# KiCad board BMS-Master.kicad_pcb (continued)
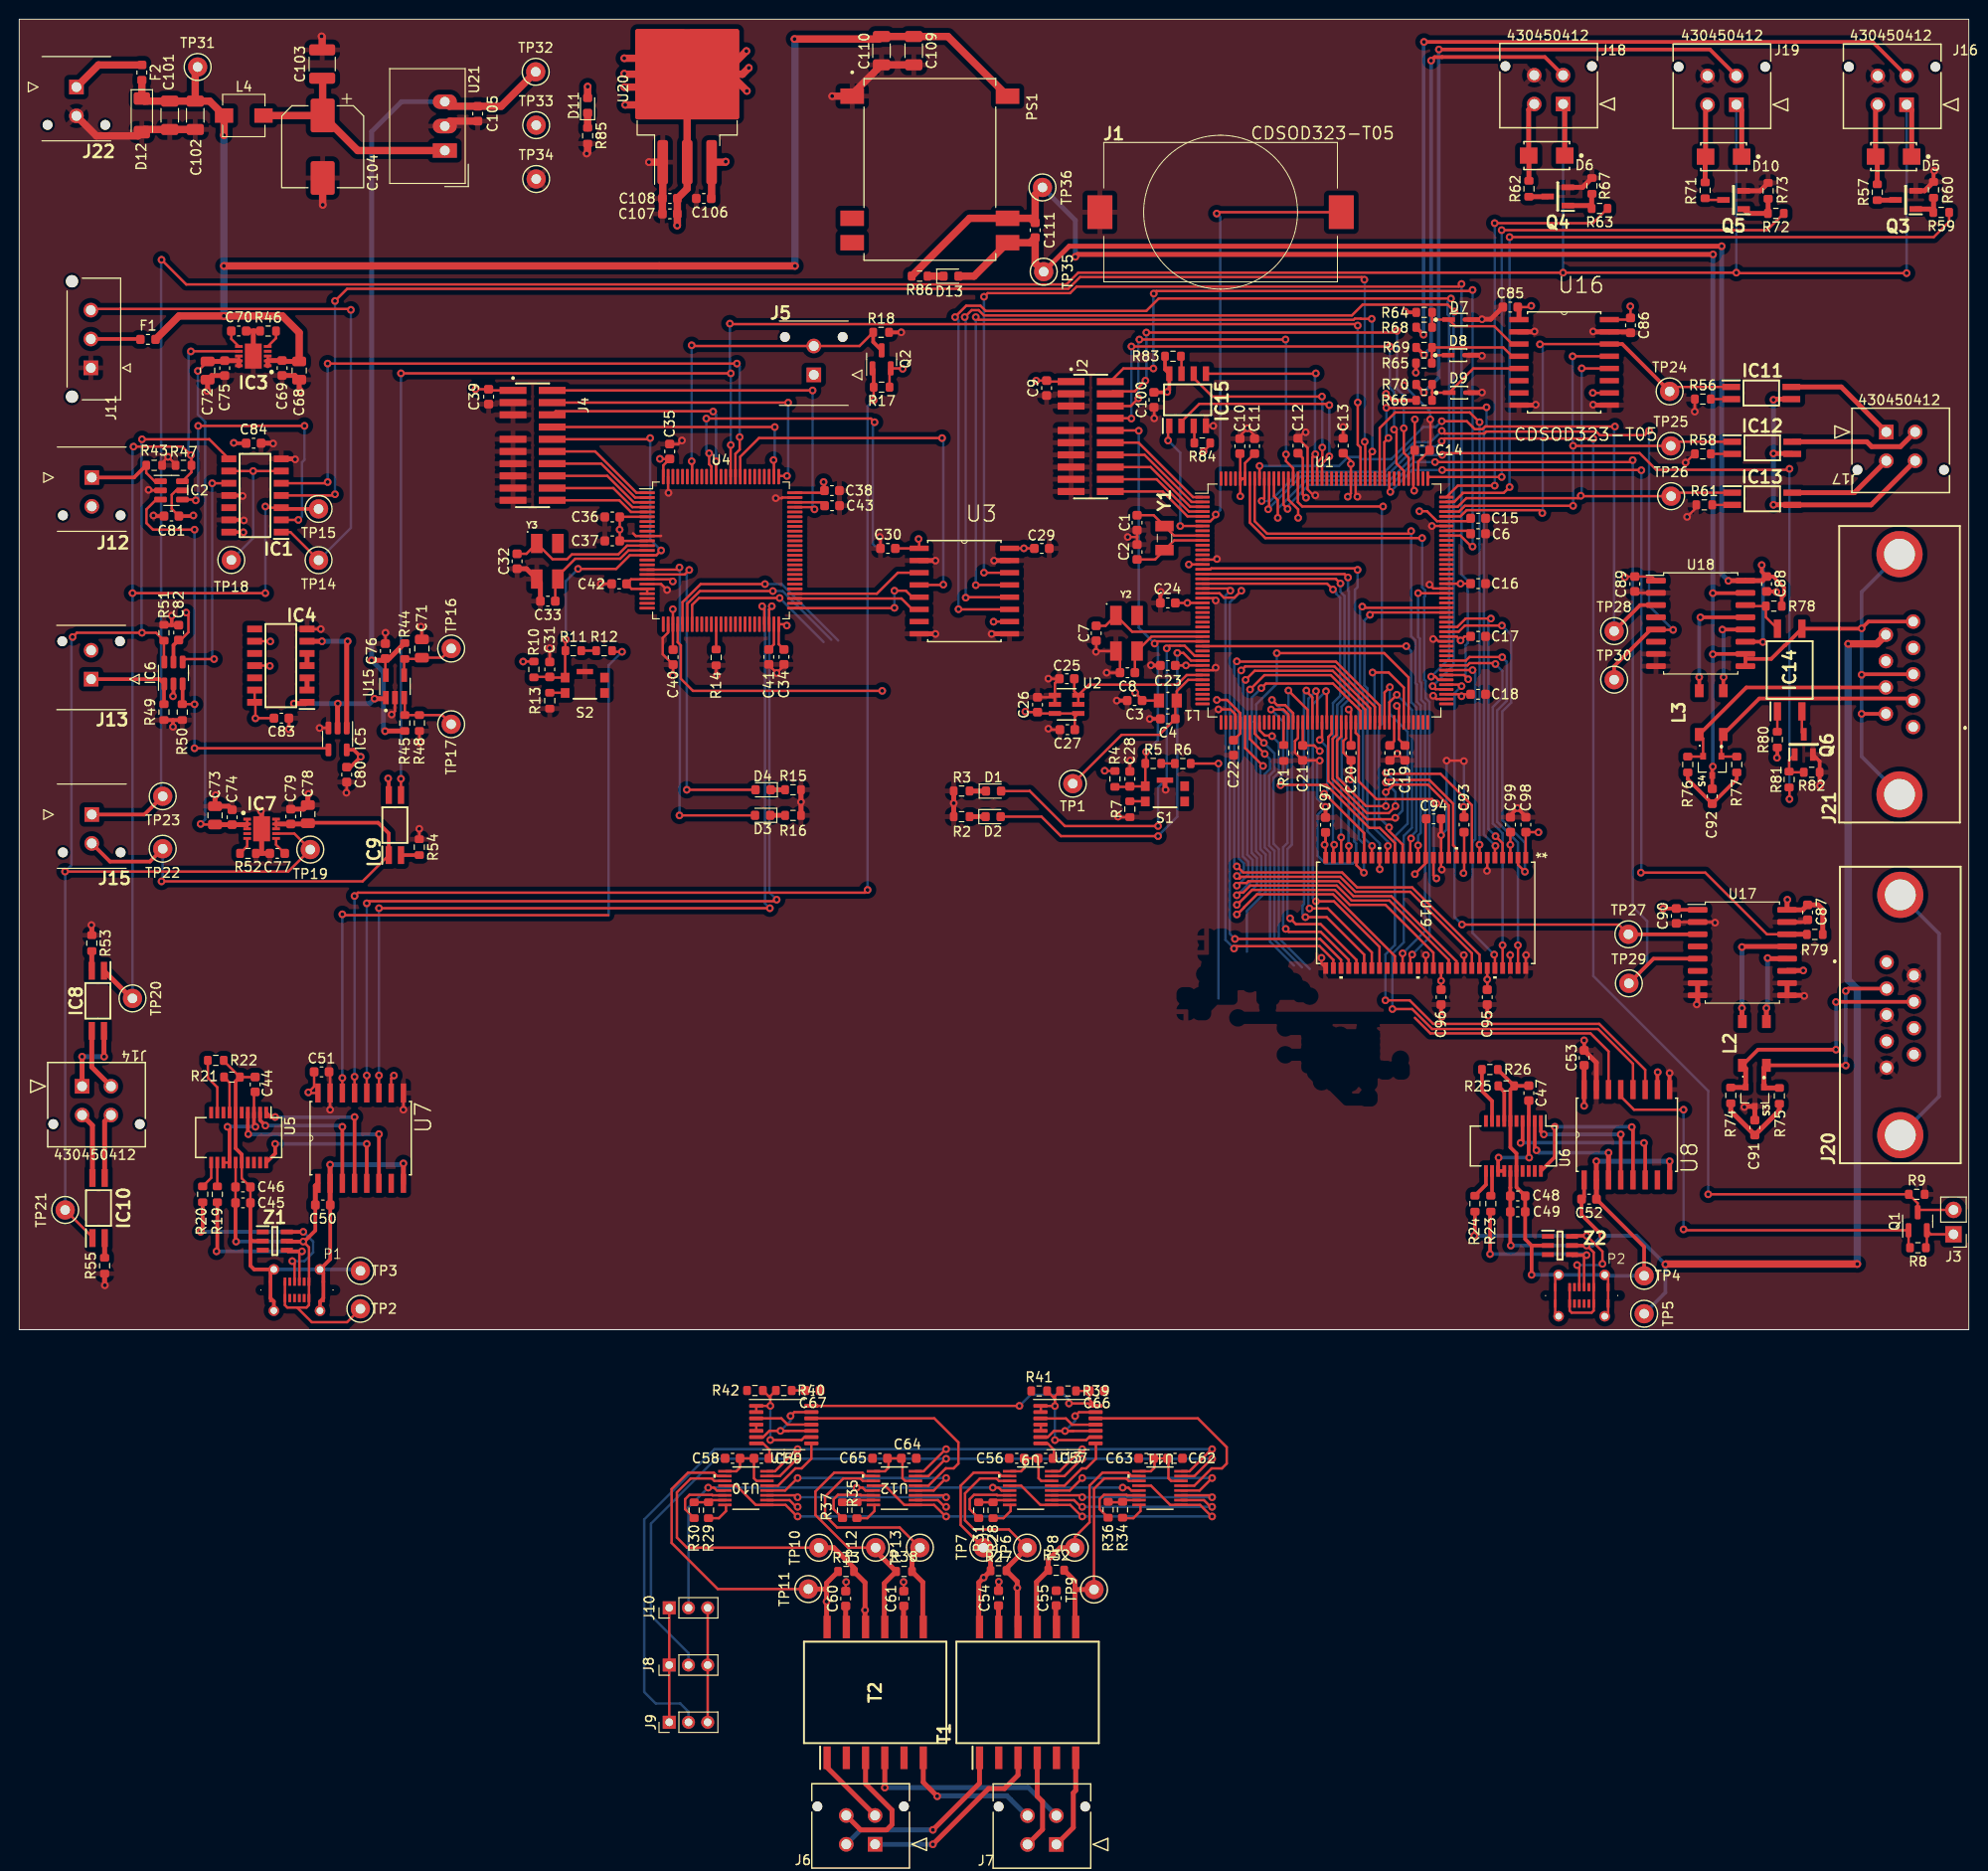
[diagram p0: board, top side]
## Placement (name value [footprint] x y rotation side) (continued)
TP33  TestPoint  [TestPoint_Keystone_5000-5004_Miniature]  53.75 125.27 0 top
TP34  TestPoint  [TestPoint_Keystone_5000-5004_Miniature]  53.75 119.67 0 top
TP35  TestPoint  [TestPoint_Keystone_5000-5004_Miniature]  106.52 110.03 270 top
TP36  TestPoint  [TestPoint_Keystone_5000-5004_Miniature]  106.39 118.79 270 top
U1  STM32F429IIT6  [LQFP-176_24x24mm_P0.5mm]  135.7 75.83 0 top
U2  ADR3425ARJZ-R2  [RJ_6_ADI]  108.9 65.03 0 top
U3  ADUM3401CRWZ  [SOIC127P1032X265-16N]  98.27 76.81 0 top
U4  STM32F429VITx  [LQFP-100_14x14mm_P0.5mm]  72.96 81.04 0 top
U5  FT231XS-R  [SSOP-20_3.9x8.7mm_P0.635mm]  22.82 19.97 270 top
U6  FT231XS-R  [SSOP-20_3.9x8.7mm_P0.635mm]  155.35 19.1 270 top
U7  ADUM3401CRWZ  [SOIC127P1032X265-16N]  35.5 19.91 90 top
U8  ADUM3401CRWZ  [SOIC127P1032X265-16N]  167.15 20.27 90 top
U9  LTC6820HMS-PBF  [MS_05-08-1669_ADI]  105.15 -16.48 180 top
U10  LTC6820HMS-PBF  [MS_05-08-1669_ADI]  75.55 -16.48 180 top
U11  LTC6820HMS-PBF  [MS_05-08-1669_ADI]  118.6 -16.48 180 top
U12  LTC6820HMS-PBF  [MS_05-08-1669_ADI]  90.99 -16.48 180 top
U13  SN74LVC00AQPWRQ1  [TSSOP-14_4.4x5mm_P0.65mm]  109.04 -9.88 0 top
U14  SN74LVC00AQPWRQ1  [TSSOP-14_4.4x5mm_P0.65mm]  79.49 -9.88 0 top
U15  AD8628ARTZ-R2  [SOT95P280X145-5N]  39.07 66.9 90 top
U16  ADUM3300CRWZ  [SOIC127P1032X265-16N]  160.63 100.6 0 top
U17  TJA1052IT/5Y  [SOIC-16W_7.5x10.3mm_P1.27mm]  179.16 39.22 0 top
U18  TJA1052IT/5Y  [SOIC-16W_7.5x10.3mm_P1.27mm]  174.83 73.45 0 top
U19  IS42S16400J-7TLI  [54L_TSOP-2_400_ISI]  146.23 43.35 270 top
U20  LM1085IS-3.3/NOPB  [TO-263-3_TabPin2]  69.45 129.07 90 top
U21  TSR_2-2450  [Converter_DCDC_TRACO_TSR-1_THT]  44.25 122.63 90 top
Y1  ABS07-32.768KHZ-T  [ABS07]  119.07 82.32 270 top
Y2  7B-8.000MAAJ-T  [OSCSC500X320X105-4N]  115.12 72.42 0 top
Y3  7B-8.000MAAJ-T  [OSCSC500X320X105-4N]  54.91 79.91 0 top
Z1  IP4220CZ6,125  [SOT95P275X110-6N]  26.57 9.21 0 top
Z2  IP4220CZ6,125  [SOT95P275X110-6N]  160.19 8.75 0 top

## Library data of the parts
C1-C103 C105-C111 = -: Description: Unpolarized capacitor
C104 = -: Description: Polarized capacitor, small symbol
D1-D4 D11 D13 = -: Description: Light emitting diode
D5 D6 D10 = -: automotive: Yes; automotive grade: Grade 0; capacitance: 15pF; category: Diode; device class L1: Discrete Semiconductors; device class L2: Diodes; device class L3: Rectifier Diodes; digikey description: DIODE GEN PURP 100V 1A DO214BA; digikey part number: GF1B-E3/67AGICT-ND; forward current: 1A; height: 3mm; lead free: Yes; library id: f5e6eeea32991e6a; manufacturer: Vishay; max junction temp: +175°C; max repetitive reverse voltage: 100V; max surge forward current: 30A; mouser description: Diode Standard Recovery Rectifier 100V 1A 2-Pin DO-214BA T/R; mouser part number: 625-GF1B-E3; package: DO-214BA; peak reverse current: 5uA; rohs: Yes; standoff height: 0.152mm; temperature range high: +175°C; temperature range low: -65°C
D7-D9 = -: automotive: No; breakdown voltage: 6V; capacitance: 3pF; category: Diode; clamping voltage: 9.8V; device class L1: Circuit Protection; device class L2: TVS Diodes; device class L3: unset; digikey description: TVS DIODE 5V 18.3V SOD323; digikey part number: CDSOD323-T05CT-ND; direction: Unidirectional; height: 1.14mm; ipc land pattern name: SOD254130X103-2; lead free: Yes; library id: d20be658d37a7647; manufacturer: Bourns Inc.; max junction temp: +150°C; mouser description: Transient Voltage Suppressor, TVS, CDSOD323 Series, Unidirectional, 5 V, SOD-323, 2, 6 V; mouser part number: 652-CDSOD323-T05; number of channels: 1; package: SOD-323; peak pulse current: 17A; peak pulse power: 350W; reverse standoff voltage: 5V; rohs: Yes; temperature range high: +150°C; temperature range low: -55°C
D12 = -: Description: 15V, 500mW, 2%, Zener diode, MiniMELF
F1 F2 = -: Description: Fuse
IC1 = -: Description: Quadruple 2-Input Positive-AND Gates
IC2 IC6 = -: Description: Single 3-Input Positive-OR Gate
IC3 IC7 = -: Description: 18V, 5A eFuse with Programmable Current Limit; Height: 0.8; Manufacturer_Name: LITTELFUSE
IC4 = -: Description: Buffers & Line Drivers Automotive hex inverter with Schmitt-trigger inputs 14-SOIC -40 to 125; Height: 1.75; Manufacturer_Name: Texas Instruments; Manufacturer_Part_Number: SN74HCS14QDRQ1; Mouser Part Number: 595-SN74HCS14QDRQ1; Mouser Price/Stock: https://www.mouser.co.uk/ProductDetail/Texas-Instruments/SN74HCS14QDRQ1?qs=OTrKUuiFdkaK%252BjdbPs1CrQ%3D%3D
IC5 = -: Description: Single 2-Input Positive NOR-Gate
IC8-IC13 = -: Description: BROADCOM - ACPL-217-56BE - Optocoupler, Transistor Output, 1 Channel, SOIC, 4 Pins, 50 mA, 3 kV, 130 %; Height: 2.42; Manufacturer_Name: Avago Technologies; Mouser Part Number: 630-ACPL-217-56BE; Mouser Price/Stock: https://www.mouser.co.uk/ProductDetail/Broadcom-Avago/ACPL-217-56BE?qs=dcm2zoLQumABa%2FcMDS685Q%3D%3D
IC14 = -: Description: SSR RELAY SPST-NO 1A 0-30V; Arrow Price/Stock: https://www.arrow.com/en/products/aqy211eha/panasonic; Height: 2.9; Manufacturer_Name: Panasonic
IC15 = -: Description: 2-Mbit serial SPI bus EEPROM; Arrow Price/Stock: https://www.arrow.com/en/products/m95m02-drmn6tp/stmicroelectronics?region=nac; Height: 1.75; Manufacturer_Name: STMicroelectronics; Mouser Part Number: 511-M95M02-DRMN6TP; Mouser Price/Stock: https://www.mouser.co.uk/ProductDetail/STMicroelectronics/M95M02-DRMN6TP?qs=zwAaJLMVt4xhSU5CC6dRzg%3D%3D
J1 = -: Description: Coin Cell Battery Holders SFC MNT FOR CR1632 520PCS/REEL; Height: 5.6; Manufacturer_Name: RENATA; Mouser Part Number: 614-SMTU1632-LF.TR; Mouser Price/Stock: https://www.mouser.co.uk/ProductDetail/Renata/SMTU1632-LF.TR?qs=IatN%252Buj5gMh%2F6Q9qm65npg%3D%3D
J2 J4 = -: Description: Connector Header Surface Mount 20 position 0.050 (1.27mm); Availability: In Stock; Check_prices: https://www.snapeda.com/parts/FTSH-110-01-L-DV-007-K-P/Samtec+Inc./view-part/?ref=eda; MANUFACTURER: Samtec; MF: Samtec; MP: FTSH-110-01-L-DV-007-K-P; PARTREV: R; Package: None; Price: None; Purchase-URL: https://www.snapeda.com/api/url_track_click_mouser/?unipart_id=2789081&manufacturer=Samtec&part_name=FTSH-110-01-L-DV-007-K-P&search_term=None; STANDARD: Manufacturer Recommendations; SnapEDA_Link: https://www.snapeda.com/parts/FTSH-110-01-L-DV-007-K-P/Samtec+Inc./view-part/?ref=snap
J3 = -: Description: Generic connector, single row, 01x02, script generated
J5 J12 J13 J15 J22 = -: Description: Micro-Fit 3.0 Vertical Header, 3.00mm Pitch, Dual Row, 2 Circuits, with PCB Polarizing Peg, Glow-Wire Capable; Height: 9.91; Manufacturer_Name: Molex; Mouser Part Number: 538-430-45-0212; Mouser Price/Stock: https://www.mouser.co.uk/ProductDetail/Molex/43045-0212?qs=QtQX4uD3c2XFLtjr%252BHeRmQ%3D%3D
J8-J10 = -: Description: Generic connector, single row, 01x03, script generated
J11 = -: Description: Header 3.00mm, WTB, single row, vert, 3w | Molex Incorporated 43650-0327; Availability: In Stock; Check_prices: https://www.snapeda.com/parts/43650-0327/Molex/view-part/?ref=eda; MANUFACTURER: Molex; MAXIMUM_PACKAGE_HEIGHT: 9.9 mm; MF: Molex; MP: 43650-0327; PARTREV: F3; Package: None; Price: None; STANDARD: Manufacturer Recommendations; SnapEDA_Link: https://www.snapeda.com/parts/43650-0327/Molex/view-part/?ref=snap
J20 J21 = -: Description: 9-pin female receptacle socket D-SUB connector, Mounting Hole
L2 L3 = -: Description: Coupled inductor with iron core
L4 = -: Description: Inductor
P1 P2 = -: Description: USB 2.0-only Type-C Plug connector; Part_Number: WM12856CT-ND; Price: 2,41
PS1 = -: Description: DC-DC Converter, High Isolation, 1W, 10.8-13.2Vin, 5Vout, 200mA, TRI 1SM Series | TRACO Power TRI 1-1211SM; Availability: In Stock; Check_prices: https://www.snapeda.com/parts/TRI%201-1211SM/Traco+Power/view-part/?ref=eda; MANUFACTURER: Traco Power; MAXIMUM_PACKAGE_HEIGHT: 11.0mm; MF: Traco Power; MP: TRI 1-1211SM; PARTREV: April 5, 2023; Package: None; Price: None; Purchase-URL: https://www.snapeda.com/api/url_track_click_mouser/?unipart_id=13589675&manufacturer=Traco Power&part_name=TRI 1-1211SM&search_term=None; STANDARD: Manufacturer Recommendations; SnapEDA_Link: https://www.snapeda.com/parts/TRI%201-1211SM/Traco+Power/view-part/?ref=snap
Q1 Q2 = -: Description: -0.13A Id, -50V Vds, P-Channel MOSFET, SOT-23
Q3-Q6 = -: Description: MOSFET N-Channel 100V 1.6A SOT23 Infineon IRLML0100TRPBF N-channel MOSFET Transistor, 1.6 A, 100 V, 3-Pin SOT-23; Arrow Price/Stock: https://www.arrow.com/en/products/irlml0100trpbf/infineon-technologies-ag?region=europe; Height: 1.12; Manufacturer_Name: Infineon; Mouser Part Number: 942-IRLML0100TRPBF; Mouser Price/Stock: https://www.mouser.co.uk/ProductDetail/Infineon-Technologies/IRLML0100TRPBF?qs=9%252BKlkBgLFf11XyHQVo8PPw%3D%3D
R1-R86 = -: Description: Resistor
S1 S2 = -: Description: Tactile Switch SPST-NO Top Actuated Surface Mount; Availability: In Stock; Check_prices: https://www.snapeda.com/parts/KMR221GLFS/C%2526K/view-part/?ref=eda; MANUFACTURER: CnK; MF: C&K; Package: None; Price: None; Purchase-URL: https://www.snapeda.com/api/url_track_click_mouser/?unipart_id=347724&manufacturer=C&amp;K&part_name=KMR221GLFS&search_term=None; SnapEDA_Link: https://www.snapeda.com/parts/KMR221GLFS/C%2526K/view-part/?ref=snap
S3 S4 = -: Description: NXP ESD protection diode, 24 V 200 W SOT-23-3; AVAILABILITY: In Stock; Availability: Not in stock; Check_prices: https://www.snapeda.com/parts/PESD1CAN,215/NXP+Semiconductors/view-part/?ref=eda; DESCRIPTION: ESD Suppressor Diode TVS Bi-Dir 24V Automotive 3-Pin SOT-23 T/R; MF: NXP Semiconductors; MP: PESD1CAN,215; PACKAGE: TO-236-3 Nexperia USA Inc.; PRICE: None; PURCHASE-URL: https://pricing.snapeda.com/search/part/PESD1CAN,215/?ref=eda; Package: None; Price: None; SnapEDA_Link: https://www.snapeda.com/parts/PESD1CAN,215/NXP+Semiconductors/view-part/?ref=snap
T1 T2 = -: Description: Audio Transformers / Signal Transformers MDL DUAL XFMR-CMC AEC-Q200; Arrow Price/Stock: https://www.arrow.com/en/products/hm2102nl/pulse-electronics-corporation; Height: 5; Manufacturer_Name: Pulse Electronics; Mouser Part Number: 673-HM2102NL; Mouser Price/Stock: https://www.mouser.co.uk/ProductDetail/Pulse-Electronics/HM2102NL?qs=1mbolxNpo8c93YBFuby5tg%3D%3D
TP1-TP36 = -: Description: test point
U1 = -: Description: STMicroelectronics Arm Cortex-M4 MCU, 2048KB flash, 256KB RAM, 180 MHz, 1.8-3.6V, 140 GPIO, LQFP176
U2 = -: Field4: *; Field5: *; Field6: *; Field7: *
U3 U7 U8 = -: Description: Quad-Channel, Digital Isolator, Enhanced System-Level ESD Reliability; Availability: In Stock; Check_prices: https://www.snapeda.com/parts/ADUM3401CRWZ/Analog+Devices/view-part/?ref=eda; MF: Analog Devices; OC_FARNELL: 1274129; OC_NEWARK: 19M0771; PACKAGE: 16-Lead SOIC_W; Package: SOIC -16 Analog Devices; Price: None; Purchase-URL: https://www.snapeda.com/api/url_track_click_mouser/?unipart_id=1239276&manufacturer=Analog Devices&part_name=ADUM3401CRWZ&search_term=None; SUPPLIER: Analog Devices; SnapEDA_Link: https://www.snapeda.com/parts/ADUM3401CRWZ/Analog+Devices/view-part/?ref=snap
U4 = -: Description: STMicroelectronics Arm Cortex-M4 MCU, 2048KB flash, 256KB RAM, 180 MHz, 1.8-3.6V, 82 GPIO, LQFP100
U5 U6 = -: Description: Full Speed USB to Full Handshake UART, SSOP-20
U13 U14 = -: Description: Quadruple 2-Input Positive-NAND Gates
U15 = -: Description: Zero-Drift, Single-Supply, Rail-to-Rail Input/Output Operational Amplifier; AVAILABILITY: Unavailable; Availability: In Stock; Check_prices: https://www.snapeda.com/parts/AD8628ARTZ-R2/Analog+Devices/view-part/?ref=eda; DESCRIPTION: SP Amp Chopper Stabilization Single R-R I/O ±2.5V/5V 5-Pin SOT-23 T/R; MF: Analog Devices; PACKAGE: SOT-23-5 Analog Devices; PRICE: None; Package: SOT-5 Analog Devices; Price: None; Purchase-URL: https://www.snapeda.com/api/url_track_click_mouser/?unipart_id=359169&manufacturer=Analog Devices&part_name=AD8628ARTZ-R2&search_term=None; SnapEDA_Link: https://www.snapeda.com/parts/AD8628ARTZ-R2/Analog+Devices/view-part/?ref=snap
U16 = -: Description: Triple-Channel, Digital Isolator, Enhanced System-Level ESD Reliability (3/0 channel directionality); Availability: In Stock; Check_prices: https://www.snapeda.com/parts/ADUM3300CRWZ/Analog+Devices/view-part/?ref=eda; MF: Analog Devices; OC_FARNELL: unknown; OC_NEWARK: 19M0760; PACKAGE: 16-Lead SOIC_W; Package: SOIC -16 Analog Devices; Price: None; Purchase-URL: https://www.snapeda.com/api/url_track_click_mouser/?unipart_id=201119&manufacturer=Analog Devices&part_name=ADUM3300CRWZ&search_term=None; SUPPLIER: Analog Devices; SnapEDA_Link: https://www.snapeda.com/parts/ADUM3300CRWZ/Analog+Devices/view-part/?ref=snap
U17 U18 = -: Description: Isolated CAN Transceiver 5.0kV, up to 5Mbps
U20 = -: Description: 3A 27V Linear Regulator, Fixed Output 3.3V, TO-220/TO-263
U21 = -: Description: 1A step-down regulator module, fixed 9V output voltage, 2-36V input voltage, -40°C to +85°C temperature range, TO-220 compatible LM78xx replacement
Y1 = -: Description: 32.768 kHz +/-20ppm Crystal 7pF 70 kOhms 2-SMD, No Lead; Arrow Price/Stock: https://www.arrow.com/en/products/abs07-32.768khz-t/abracon?region=europe; Height: 0.9; Manufacturer_Name: ABRACON; Mouser Part Number: 815-ABS07-32.768KHZT; Mouser Price/Stock: https://www.mouser.co.uk/ProductDetail/ABRACON/ABS07-32.768KHZ-T?qs=3SpAxaLJ01g8GJWeO3sA3Q%3D%3D
Y2 Y3 = -: Description: 8 MHz ±30ppm Crystal 18pF 100 Ohms 4-SMD, No Lead; Availability: In Stock; Check_prices: https://www.snapeda.com/parts/7B-8.000MAAJ-T/TXC+CORPORATION/view-part/?ref=eda; MANUFACTURER: TXC Corporation; MF: TXC; Package: SMD-4 Falcon Technical Sales; Price: None; Purchase-URL: https://www.snapeda.com/api/url_track_click_mouser/?unipart_id=48963&manufacturer=TXC&part_name=7B-8.000MAAJ-T&search_term=None; SnapEDA_Link: https://www.snapeda.com/parts/7B-8.000MAAJ-T/TXC+CORPORATION/view-part/?ref=snap
Z1 Z2 = -: Description: Nexperia IP4220CZ6,125, Quad ESD Protection Array, 6-Pin TSOP; Arrow Price/Stock: https://www.arrow.com/en/products/ip4220cz6125/nexperia?region=nac; Height: 1.1; Manufacturer_Name: Nexperia; Mouser Part Number: 771-IP4220CZ6-T/R; Mouser Price/Stock: https://www.mouser.co.uk/ProductDetail/Nexperia/IP4220CZ6125?qs=me8TqzrmIYWNWIOv4%2FpxMw%3D%3D

## Footprints (pads in the part's own frame, mm; a bottom-side part is the same pattern mirrored in y, then rotated)
54L_TSOP-2_400_ISI
  rect 1.194x0.508 smd: 1(-5.74,10.4) 2(-5.74,9.6) 3(-5.74,8.8) 4(-5.74,8) 5(-5.74,7.2) 6(-5.74,6.4) 7(-5.74,5.6) 8(-5.74,4.8) 9(-5.74,4) 10(-5.74,3.2) 11(-5.74,2.4) 12(-5.74,1.6) 13(-5.74,0.8) 14(-5.74,0) 15(-5.74,-0.8) 16(-5.74,-1.6) 17(-5.74,-2.4) 18(-5.74,-3.2) 19(-5.74,-4) 20(-5.74,-4.8) 21(-5.74,-5.6) 22(-5.74,-6.4) 23(-5.74,-7.2) 24(-5.74,-8) 25(-5.74,-8.8) 26(-5.74,-9.6) 27(-5.74,-10.4) 28(5.74,-10.4) 29(5.74,-9.6) 30(5.74,-8.8) 31(5.74,-8) 32(5.74,-7.2) 33(5.74,-6.4) 34(5.74,-5.6) 35(5.74,-4.8) 36(5.74,-4) 37(5.74,-3.2) 38(5.74,-2.4) 39(5.74,-1.6) 40(5.74,-0.8) 41(5.74,0) 42(5.74,0.8) 43(5.74,1.6) 44(5.74,2.4) 45(5.74,3.2) 46(5.74,4) 47(5.74,4.8) 48(5.74,5.6) 49(5.74,6.4) 50(5.74,7.2) 51(5.74,8) 52(5.74,8.8) 53(5.74,9.6) 54(5.74,10.4)
43045-02YY_121314
  round 1.02 hole 1.02 unplated: (-3,3.94) (3,3.94)
  rect 1.52x1.52 hole 1.02: 1(0,0)
  round 1.52 hole 1.02: 2(0,3)
ABS07
  rect 1.1x1.9 smd: 1(-1.25,0) 2(1.25,0)
ACT45B1012PTL003
  rect 1.35x0.9 smd: 1(-2.275,1.25) 2(-2.275,-1.25) 3(2.275,-1.25) 4(2.275,1.25)
Bourns_Inc.-SOD-323-0-0-IPC_B
  rect 1.312x0.476 smd: 1(-1.048,0)
  rrect 1.312x0.476 smd: 2(1.048,0)
C_0603_1608Metric
  rrect 0.9x0.95 smd: 1(-0.775,0) 2(0.775,0)
C_0805_2012Metric
  rrect 1x1.45 smd: 1(-0.95,0) 2(0.95,0)
C_1206_3216Metric
  rrect 1.15x1.8 smd: 1(-1.475,0) 2(1.475,0)
C_1210_3225Metric
  rrect 1.15x2.7 smd: 1(-1.475,0) 2(1.475,0)
CON_430450412_MOL
  round 1.02 hole 1.02 unplated: (-6,3.94) (3,3.94)
  rect 1.52x1.52 hole 1.02: 1(0,0)
  round 1.52 hole 1.02: 2(-3,0) 3(0,3) 4(-3,3)
CONV_TRI_1-1211SM
  rect 1.6x2.45 smd: 1(-7.62,-8.075) 6(5.08,-8.075) 7(7.62,-8.075) 8(7.62,8.075) 9(5.08,8.075) 14(-7.62,8.075)
Converter_DCDC_TRACO_TSR-1_THT
  rect 1.5x2.5 hole 1: 1(0,0)
  oval 1.5x2.5 hole 1: 2(2.54,0) 3(5.08,0)
CP_Elec_8x10
  rrect 3.5x2.5 smd: 1(-3.25,0) 2(3.25,0)
D_MiniMELF
  rrect 1.3x1.7 smd: 1(-1.75,0) 2(1.75,0)
DIO_PESD1CAN_215
  rect 0.7x0.6 smd: 1(-1,0.95) 2(-1,-0.95) 3(1,0)
Diode_GF1B-E367A
  rect 1.825x1.68 smd: 1(-1.877,0) 2(1.877,0)
Fuse_0603_1608Metric
  rrect 0.875x0.95 smd: 1(-0.787,0) 2(0.787,0)
IND_BLM21_0805_MUR
  rect 1.067x1.448 smd: 1(-0.927,0) 2(0.927,0)
L177TSEH09SOL2RM8
  round 4.8 hole 3.2: 0(-17.975,-1.42) 0(7.015,-1.42)
  round 1.5 hole 1: 1(0,0) 2(-2.74,0) 3(-5.48,0) 4(-8.22,0) 5(-10.96,0) 6(-1.37,-2.84) 7(-4.11,-2.84) 8(-6.85,-2.84) 9(-9.59,-2.84)
L_TracoPower_TCK-141
  rect 1.9x1.5 smd: 1(-2.05,0) 2(2.05,0)
LED_0603_1608Metric
  rrect 0.875x0.95 smd: 1(-0.787,0) 2(0.787,0)
LQFP-100_14x14mm_P0.5mm
  rrect 1.6x0.3 smd: 1(-7.675,6) 2(-7.675,5.5) 3(-7.675,5) 4(-7.675,4.5) 5(-7.675,4) 6(-7.675,3.5) 7(-7.675,3) 8(-7.675,2.5) 9(-7.675,2) 10(-7.675,1.5) 11(-7.675,1) 12(-7.675,0.5) 13(-7.675,0) 14(-7.675,-0.5) 15(-7.675,-1) 16(-7.675,-1.5) 17(-7.675,-2) 18(-7.675,-2.5) 19(-7.675,-3) 20(-7.675,-3.5) 21(-7.675,-4) 22(-7.675,-4.5) 23(-7.675,-5) 24(-7.675,-5.5) 25(-7.675,-6) 51(7.675,-6) 52(7.675,-5.5) 53(7.675,-5) 54(7.675,-4.5) 55(7.675,-4) 56(7.675,-3.5) 57(7.675,-3) 58(7.675,-2.5) 59(7.675,-2) 60(7.675,-1.5) 61(7.675,-1) 62(7.675,-0.5) 63(7.675,0) 64(7.675,0.5) 65(7.675,1) 66(7.675,1.5) 67(7.675,2) 68(7.675,2.5) 69(7.675,3) 70(7.675,3.5) 71(7.675,4) 72(7.675,4.5) 73(7.675,5) 74(7.675,5.5) 75(7.675,6)
  rrect 0.3x1.6 smd: 26(-6,-7.675) 27(-5.5,-7.675) 28(-5,-7.675) 29(-4.5,-7.675) 30(-4,-7.675) 31(-3.5,-7.675) 32(-3,-7.675) 33(-2.5,-7.675) 34(-2,-7.675) 35(-1.5,-7.675) 36(-1,-7.675) 37(-0.5,-7.675) 38(0,-7.675) 39(0.5,-7.675) 40(1,-7.675) 41(1.5,-7.675) 42(2,-7.675) 43(2.5,-7.675) 44(3,-7.675) 45(3.5,-7.675) 46(4,-7.675) 47(4.5,-7.675) 48(5,-7.675) 49(5.5,-7.675) 50(6,-7.675) 76(6,7.675) 77(5.5,7.675) 78(5,7.675) 79(4.5,7.675) 80(4,7.675) 81(3.5,7.675) 82(3,7.675) 83(2.5,7.675) 84(2,7.675) 85(1.5,7.675) 86(1,7.675) 87(0.5,7.675) 88(0,7.675) 89(-0.5,7.675) 90(-1,7.675) 91(-1.5,7.675) 92(-2,7.675) 93(-2.5,7.675) 94(-3,7.675) 95(-3.5,7.675) 96(-4,7.675) 97(-4.5,7.675) 98(-5,7.675) 99(-5.5,7.675) 100(-6,7.675)
LQFP-176_24x24mm_P0.5mm
  rrect 1.5x0.3 smd: 1(-12.675,10.75) 2(-12.675,10.25) 3(-12.675,9.75) 4(-12.675,9.25) 5(-12.675,8.75) 6(-12.675,8.25) 7(-12.675,7.75) 8(-12.675,7.25) 9(-12.675,6.75) 10(-12.675,6.25) 11(-12.675,5.75) 12(-12.675,5.25) 13(-12.675,4.75) 14(-12.675,4.25) 15(-12.675,3.75) 16(-12.675,3.25) 17(-12.675,2.75) 18(-12.675,2.25) 19(-12.675,1.75) 20(-12.675,1.25) 21(-12.675,0.75) 22(-12.675,0.25) 23(-12.675,-0.25) 24(-12.675,-0.75) 25(-12.675,-1.25) 26(-12.675,-1.75) 27(-12.675,-2.25) 28(-12.675,-2.75) 29(-12.675,-3.25) 30(-12.675,-3.75) 31(-12.675,-4.25) 32(-12.675,-4.75) 33(-12.675,-5.25) 34(-12.675,-5.75) 35(-12.675,-6.25) 36(-12.675,-6.75) 37(-12.675,-7.25) 38(-12.675,-7.75) 39(-12.675,-8.25) 40(-12.675,-8.75) 41(-12.675,-9.25) 42(-12.675,-9.75) 43(-12.675,-10.25) 44(-12.675,-10.75) 89(12.675,-10.75) 90(12.675,-10.25) 91(12.675,-9.75) 92(12.675,-9.25) 93(12.675,-8.75) 94(12.675,-8.25) 95(12.675,-7.75) 96(12.675,-7.25) 97(12.675,-6.75) 98(12.675,-6.25) 99(12.675,-5.75) 100(12.675,-5.25) 101(12.675,-4.75) 102(12.675,-4.25) 103(12.675,-3.75) 104(12.675,-3.25) 105(12.675,-2.75) 106(12.675,-2.25) 107(12.675,-1.75) 108(12.675,-1.25) 109(12.675,-0.75) 110(12.675,-0.25) 111(12.675,0.25) 112(12.675,0.75) 113(12.675,1.25) 114(12.675,1.75) 115(12.675,2.25) 116(12.675,2.75) 117(12.675,3.25) 118(12.675,3.75) 119(12.675,4.25) 120(12.675,4.75) 121(12.675,5.25) 122(12.675,5.75) 123(12.675,6.25) 124(12.675,6.75) 125(12.675,7.25) 126(12.675,7.75) 127(12.675,8.25) 128(12.675,8.75) 129(12.675,9.25) 130(12.675,9.75) 131(12.675,10.25) 132(12.675,10.75)
  rrect 0.3x1.5 smd: 45(-10.75,-12.675) 46(-10.25,-12.675) 47(-9.75,-12.675) 48(-9.25,-12.675) 49(-8.75,-12.675) 50(-8.25,-12.675) 51(-7.75,-12.675) 52(-7.25,-12.675) 53(-6.75,-12.675) 54(-6.25,-12.675) 55(-5.75,-12.675) 56(-5.25,-12.675) 57(-4.75,-12.675) 58(-4.25,-12.675) 59(-3.75,-12.675) 60(-3.25,-12.675) 61(-2.75,-12.675) 62(-2.25,-12.675) 63(-1.75,-12.675) 64(-1.25,-12.675) 65(-0.75,-12.675) 66(-0.25,-12.675) 67(0.25,-12.675) 68(0.75,-12.675) 69(1.25,-12.675) 70(1.75,-12.675) 71(2.25,-12.675) 72(2.75,-12.675) 73(3.25,-12.675) 74(3.75,-12.675) 75(4.25,-12.675) 76(4.75,-12.675) 77(5.25,-12.675) 78(5.75,-12.675) 79(6.25,-12.675) 80(6.75,-12.675) 81(7.25,-12.675) 82(7.75,-12.675) 83(8.25,-12.675) 84(8.75,-12.675) 85(9.25,-12.675) 86(9.75,-12.675) 87(10.25,-12.675) 88(10.75,-12.675) 133(10.75,12.675) 134(10.25,12.675) 135(9.75,12.675) 136(9.25,12.675) 137(8.75,12.675) 138(8.25,12.675) 139(7.75,12.675) 140(7.25,12.675) 141(6.75,12.675) 142(6.25,12.675) 143(5.75,12.675) 144(5.25,12.675) 145(4.75,12.675) 146(4.25,12.675) 147(3.75,12.675) 148(3.25,12.675) 149(2.75,12.675) 150(2.25,12.675) 151(1.75,12.675) 152(1.25,12.675) 153(0.75,12.675) 154(0.25,12.675) 155(-0.25,12.675) 156(-0.75,12.675) 157(-1.25,12.675) 158(-1.75,12.675) 159(-2.25,12.675) 160(-2.75,12.675) 161(-3.25,12.675) 162(-3.75,12.675) 163(-4.25,12.675) 164(-4.75,12.675) 165(-5.25,12.675) 166(-5.75,12.675) 167(-6.25,12.675) 168(-6.75,12.675) 169(-7.25,12.675) 170(-7.75,12.675) 171(-8.25,12.675) 172(-8.75,12.675) 173(-9.25,12.675) 174(-9.75,12.675) 175(-10.25,12.675) 176(-10.75,12.675)
molex 2193200001
  round 0.1 hole 0.6 unplated: (-3.75,0)
  oval 0.1x0.1 hole 1x0.6 unplated: (3.75,0)
  rect 0.3x0.85 smd: A1(-2.75,0.875) A4(-1.25,0.875) A5(-0.75,0.875) A6(-0.25,0.875) A7(0.25,0.875) A8(0.75,0.875) A9(1.25,0.875) A12(2.75,0.875) B1(2.75,-0.835) B4(1.25,-0.835) B5(0.75,-0.835) B6(0.25,-0.835) B7(-0.25,-0.835) B8(-0.75,-0.835) B9(-1.25,-0.835) B12(-2.75,-0.835)
  round 1.1 hole 0.7: S1(-2.4,2.15) S1(-2.4,-2.15) S1(2.4,2.15) S1(2.4,-2.15)
MOLEX_436500327
  round 1.27 hole 1.27 unplated: (-9,-1.96) (3,-1.96)
  rect 1.52x1.52 hole 1.02: 1(0,0)
  round 1.52 hole 1.02: 2(-3,0) 3(-6,0)
MS_05-08-1669_ADI
  rect 1.397x0.279 smd: 1(-2.184,1.75) 2(-2.184,1.25) 3(-2.184,0.75) 4(-2.184,0.25) 5(-2.184,-0.25) 6(-2.184,-0.75) 7(-2.184,-1.25) 8(-2.184,-1.75) 9(2.184,-1.75) 10(2.184,-1.25) 11(2.184,-0.75) 12(2.184,-0.25) 13(2.184,0.25) 14(2.184,0.75) 15(2.184,1.25) 16(2.184,1.75)
OSCSC500X320X105-4N
  rect 1.2x2 smd: 1(-1.1,1.85) 2(-1.1,-1.85) 3(1.1,-1.85) 4(1.1,1.85)
PinHeader_1x02_P2.54mm_Vertical
  rect 1.7x1.7 hole 1: 1(0,0)
  oval 1.7x1.7 hole 1: 2(0,-2.54)
PinHeader_1x03_P2.00mm_Vertical
  rect 1.35x1.35 hole 0.8: 1(0,0)
  oval 1.35x1.35 hole 0.8: 2(0,-2) 3(0,-4)
R_0603_1608Metric
  rrect 0.8x0.95 smd: 1(-0.825,0) 2(0.825,0)
RJ_6_ADI
  rect 1.27x0.508 smd: 1(-1.219,0.95) 2(-1.219,0) 3(-1.219,-0.95) 4(1.219,-0.95) 5(1.219,0) 6(1.219,0.95)
SAMTEC_FTSH-110-01-L-DV-007
  rect 0.74x2.79 smd: 01(-5.715,-2.035) 02(-5.715,2.035) 03(-4.445,-2.035) 04(-4.445,2.035) 05(-3.175,-2.035) 06(-3.175,2.035) 08(-1.905,2.035) 09(-0.635,-2.035) 10(-0.635,2.035) 11(0.635,-2.035) 12(0.635,2.035) 13(1.905,-2.035) 14(1.905,2.035) 15(3.175,-2.035) 16(3.175,2.035) 17(4.445,-2.035) 18(4.445,2.035) 19(5.715,-2.035) 20(5.715,2.035)
SMTU1632LFTR
  rect 2.6x3.5 smd: 1(-12.55,0) 2(12.55,0)
SOIC127P600X175-8N
  rect 1.525x0.65 smd: 1(-2.712,1.905) 2(-2.712,0.635) 3(-2.712,-0.635) 4(-2.712,-1.905) 5(2.712,-1.905) 6(2.712,-0.635) 7(2.712,0.635) 8(2.712,1.905)
SOIC127P600X175-14N
  rect 1.55x0.7 smd: 1(-2.725,3.81) 2(-2.725,2.54) 3(-2.725,1.27) 4(-2.725,0) 5(-2.725,-1.27) 6(-2.725,-2.54) 7(-2.725,-3.81) 8(2.725,-3.81) 9(2.725,-2.54) 10(2.725,-1.27) 11(2.725,0) 12(2.725,1.27) 13(2.725,2.54) 14(2.725,3.81)
SOIC127P700X242-4N
  rect 1.85x0.65 smd: 1(-3.125,0.635) 2(-3.125,-0.635) 3(3.125,-0.635) 4(3.125,0.635)
SOIC127P1032X265-16N
  rect 1.981x0.559 smd: 1(-4.699,4.445) 2(-4.699,3.175) 3(-4.699,1.905) 4(-4.699,0.635) 5(-4.699,-0.635) 6(-4.699,-1.905) 7(-4.699,-3.175) 8(-4.699,-4.445) 9(4.699,-4.445) 10(4.699,-3.175) 11(4.699,-1.905) 12(4.699,-0.635) 13(4.699,0.635) 14(4.699,1.905) 15(4.699,3.175) 16(4.699,4.445)
SOIC-16W_7.5x10.3mm_P1.27mm
  rrect 2.05x0.6 smd: 1(-4.65,4.445) 2(-4.65,3.175) 3(-4.65,1.905) 4(-4.65,0.635) 5(-4.65,-0.635) 6(-4.65,-1.905) 7(-4.65,-3.175) 8(-4.65,-4.445) 9(4.65,-4.445) 10(4.65,-3.175) 11(4.65,-1.905) 12(4.65,-0.635) 13(4.65,0.635) 14(4.65,1.905) 15(4.65,3.175) 16(4.65,4.445)
SON50P300X300X80-11N
  rect 0.8x0.3 smd: 1(-1.5,1) 2(-1.5,0.5) 3(-1.5,0) 4(-1.5,-0.5) 5(-1.5,-1) 6(1.5,-1) 7(1.5,-0.5) 8(1.5,0) 9(1.5,0.5) 10(1.5,1)
  rect 1.75x2.6 smd: 11(0,0)
SOP200P1473X500-12N
  rect 2.35x0.75 smd: 1(-6.8,5) 2(-6.8,3) 3(-6.8,1) 4(-6.8,-1) 5(-6.8,-3) 6(-6.8,-5) 7(6.8,-5) 8(6.8,-3) 9(6.8,-1) 10(6.8,1) 11(6.8,3) 12(6.8,5)
SOP254P962X315-4N
  rect 1.9x0.75 smd: 1(-4.3,1.27) 2(-4.3,-1.27) 3(4.3,-1.27) 4(4.3,1.27)
SOT95P237X112-3N
  rect 1.3x0.6 smd: 1(-1.05,0.95) 2(-1.05,-0.95) 3(1.05,0)
SOT95P275X110-6N
  rect 1.25x0.5 smd: 1(-1.25,0.95) 2(-1.25,0) 3(-1.25,-0.95) 4(1.25,-0.95) 5(1.25,0) 6(1.25,0.95)
SOT95P280X145-5N
  rrect 1.39x0.6 smd: 1(-1.165,0.95) 2(-1.165,0) 3(-1.165,-0.95) 4(1.165,-0.95) 5(1.165,0.95)
SOT-23
  rrect 1.475x0.6 smd: 1(-0.938,0.95) 2(-0.938,-0.95) 3(0.938,0)
SSOP-20_3.9x8.7mm_P0.635mm
  rect 1.2x0.4 smd: 1(-2.6,2.857) 2(-2.6,2.223) 3(-2.6,1.587) 4(-2.6,0.953) 5(-2.6,0.318) 6(-2.6,-0.318) 7(-2.6,-0.953) 8(-2.6,-1.587) 9(-2.6,-2.223) 10(-2.6,-2.857) 11(2.6,-2.857) 12(2.6,-2.223) 13(2.6,-1.587) 14(2.6,-0.953) 15(2.6,-0.318) 16(2.6,0.318) 17(2.6,0.953) 18(2.6,1.587) 19(2.6,2.223) 20(2.6,2.857)
SW_KMR221GLFS
  rect 0.9x1 smd: 1(-2.05,0.8) 2(-2.05,-0.8) 3(2.05,-0.8) 4(2.05,0.8)
  rect 1.7x0.55 smd: 5(0,1.425)
TestPoint_Keystone_5000-5004_Miniature
  round 2 hole 1: 1(0,0)
TO-263-3_TabPin2
  rrect 4.6x1.1 smd: 1(-7.65,2.54) 2(-7.65,0) 3(-7.65,-2.54)
  rrect 4.55x5.25 smd: 2(-0.925,2.775) 2(-0.925,-2.775) 2(3.925,2.775) 2(3.925,-2.775)
  rrect 9.4x10.8 smd: 2(1.5,0)
TSOT-23-5
  rrect 1.325x0.6 smd: 1(-1.137,0.95) 2(-1.137,0) 3(-1.137,-0.95) 4(1.137,-0.95) 5(1.137,0.95)
TSOT-23-6
  rrect 1.325x0.6 smd: 1(-1.137,0.95) 2(-1.137,0) 3(-1.137,-0.95) 4(1.137,-0.95) 5(1.137,0) 6(1.137,0.95)
TSSOP-14_4.4x5mm_P0.65mm
  rrect 1.475x0.4 smd: 1(-2.862,1.95) 2(-2.862,1.3) 3(-2.862,0.65) 4(-2.862,0) 5(-2.862,-0.65) 6(-2.862,-1.3) 7(-2.862,-1.95) 8(2.862,-1.95) 9(2.862,-1.3) 10(2.862,-0.65) 11(2.862,0) 12(2.862,0.65) 13(2.862,1.3) 14(2.862,1.95)

## Nets
+3.3V: C3.1 C9.1 C10.1 C11.1 C12.1 C13.1 C14.1 C15.1 C16.1 C17.1 C18.1 C19.1 C20.1 C21.1 C22.1 C23.1 C24.1 C26.1 C27.1 C29.2 C30.2 C34.1 C35.1 C36.1 C37.1 C38.1 C39.1 C40.1 C42.1 C51.2 C53.2 C66.1 C67.1 C80.1 C81.1 C82.1 C83.1 C84.1 C86.2 C89.2 C90.2 C93.1 C94.1 C95.1 C96.1 C97.1 C98.1 C99.1 C100.1 C107.1 C108.1 D11.2 IC1.14 IC2.5 IC4.9 IC4.11 IC4.13 IC4.14 IC5.5 IC6.5 IC9.4 IC15.8 J2.01 J3.1 J4.01 J5.1 J8.1 J9.1 J10.1 J12.2 J13.2 L1.2 Q1.2 Q2.2 R4.1 R8.1 R10.1 R17.1 R39.1 R40.1 R83.1 R84.1 TP33.1 U1.15 U1.23 U1.36 U1.49 U1.62 U1.72 U1.82 U1.91 U1.103 U1.114 U1.127 U1.136 U1.149 U1.159 U1.171 U1.172 U2.3 U2.4 U3.1 U3.10 U3.16 U4.6 U4.11 U4.19 U4.21 U4.22 U4.28 U4.50 U4.75 U4.100 U7.10 U7.16 U8.10 U8.16 U9.1 U9.12 U10.1 U10.12 U11.1 U11.12 U12.1 U12.12 U13.14 U14.14 U16.10 U16.16 U17.1 U18.1 U19.1 U19.3 U19.9 U19.14 U19.27 U19.43 U19.49 U20.2
+5V: C76.1 C85.2 C87.2 C105.1 C106.1 J20.9 R44.1 R45.1 R64.1 R65.1 R66.1 R79.2 R80.1 TP32.1 U15.5 U16.1 U17.11 U17.16 U20.3 U21.3
+5V_ISO: C88.2 C111.1 D13.2 PS1.8 R78.1 TP35.1 U18.11 U18.16
GND: C1.2 C2.2 C3.2 C4.2 C5.2 C6.2 C7.2 C8.2 C9.2 C10.2 C11.2 C12.2 C13.2 C14.2 C15.2 C16.2 C17.2 C18.2 C19.2 C20.2 C21.2 C22.2 C23.2 C24.2 C25.2 C26.2 C27.2 C28.2 C29.1 C30.1 C31.2 C32.2 C33.2 C34.2 C35.2 C36.2 C37.2 C38.2 C39.2 C40.2 C41.2 C42.2 C43.2 C51.1 C53.1 C54.1 C55.1 C56.2 C57.2 C58.2 C59.2 C60.1 C61.1 C62.2 C63.2 C64.2 C65.2 C66.2 C67.2 C68.2 C69.2 C70.2 C71.2 C72.2 C73.2 C74.2 C75.2 C76.2 C77.2 C78.2 C79.2 C80.2 C81.2 C82.2 C83.2 C84.2 C85.1 C86.1 C87.1 C88.1 C89.1 C90.1 C91.2 C93.2 C94.2 C95.2 C96.2 C97.2 C98.2 C99.2 C100.2 C101.2 C102.2 C103.2 C104.2 C105.2 C106.2 C107.2 C108.2 C109.2 C110.2 D7.2 D8.2 D9.2 D12.2 IC1.7 IC1.11 IC1.13 IC2.2 IC3.11 IC4.7 IC5.3 IC6.2 IC7.11 IC15.4 J1.2 J2.03 J2.05 J2.09 J2.11 J2.13 J2.15 J2.17 J2.19 J4.03 J4.05 J4.09 J4.11 J4.13 J4.15 J4.17 J4.19 J8.3 J9.3 J10.3 J11.1 J16.4 J18.4 J19.4 J20.3 J20.5 J20.6 J22.2 PS1.1 Q3.2 Q4.2 Q5.2 Q6.2 R1.1 R2.2 R3.2 R7.2 R9.2 R13.2 R14.2 R15.2 R16.2 R18.2 R30.1 R31.1 R36.1 R37.1 R43.1 R46.2 R47.1 R48.2 R49.1 R50.1 R51.1 R52.2 R53.1 R54.1 R55.1 R56.1 R58.1 R60.2 R61.1 R67.2 R73.2 R82.2 R85.2 S1.5 S2.5 S3.3 TP34.1 U1.14 U1.22 U1.37 U1.48 U1.61 U1.71 U1.90 U1.102 U1.113 U1.126 U1.135 U1.148 U1.158 U2.1 U2.2 U3.2 U3.8 U3.9 U3.15 U4.10 U4.20 U4.27 U4.74 U4.99 U7.9 U7.15 U8.9 U8.15 U9.14 U10.14 U11.14 U12.14 U13.7 U14.7 U15.2 U16.2 U16.8 U16.9 U16.15 U17.2 U17.7 U17.8 U17.9 U17.10 U17.15 U18.2 U18.7 U18.8 U19.6 U19.12 U19.28 U19.41 U19.46 U19.52 U19.54 U20.1 U21.2 Y2.2 Y3.2
GND_ISO: C92.2 C111.2 IC14.3 J21.0 J21.3 J21.5 J21.6 PS1.9 R86.2 S4.3 TP36.1 U18.9 U18.10 U18.15
/CAN0_interface/CAN0.RX: TP29.1 U1.163 U17.5
/CAN0_interface/CAN0.TRANS_STBY_CTRL: R79.1 U1.141 U17.14
/CAN0_interface/CAN0.TX: TP27.1 U1.93 U17.3
/CAN0_interface/CAN0_H: J20.7 L2.1 R74.1 S3.2
/CAN0_interface/CAN0_L: J20.2 L2.2 R75.1 S3.1
/CAN0_interface/CAN1.RX: TP30.1 U1.167 U18.5
/CAN0_interface/CAN1.TRANS_STBY_CTRL: R81.2 U1.165
/CAN0_interface/CAN1.TX: TP28.1 U1.168 U18.3
/CAN0_interface/CAN1_H: J21.7 L3.1 R76.1 S4.2
/CAN0_interface/CAN1_L: J21.2 L3.2 R77.1 S4.1
/Contactors/Contactor_ctrl0: R59.1 U1.131
/Contactors/Contactor_ctrl1: R63.1 U1.132
/Contactors/Contactor_ctrl2: R72.1 U1.133
/Contactors/Contactor_feedback0: IC11.1 TP24.1 U1.128 U16.14
/Contactors/Contactor_feedback1: IC12.1 TP25.1 U1.129 U16.13
/Contactors/Contactor_feedback2: IC13.1 TP26.1 U1.130 U16.12
/Contactors/Contactor_out0: D5.2 J16.2 R57.1
/Contactors/Contactor_out1: D6.2 J18.2 R62.1
/Contactors/Contactor_out2: D10.2 J19.2 R71.1
/Contactors/contactors_com_pos: D5.1 D6.1 D10.1 J15.1 J16.1 J18.1 J19.1 TP23.1
/Contactors/feedback0: J16.3 R68.1
/Contactors/feedback1: J18.3 R69.1
/Contactors/feedback2: J19.3 R70.1
/isoSPI_interface/CS0_F: U9.5 U13.8
/isoSPI_interface/CS0_rv: U11.5 U13.12
/isoSPI_interface/CS1_F: U10.5 U14.8
/isoSPI_interface/CS1_rv: U12.5 U14.12
/isoSPI_interface/OUT0_N: R27.1 T1.12 TP7.1 U9.10
/isoSPI_interface/OUT0_N_rv: R32.2 T1.9 TP8.1 U11.10
/isoSPI_interface/OUT0_P: R27.2 T1.10 TP6.1 U9.11
/isoSPI_interface/OUT0_P_rv: R32.1 T1.7 TP9.1 U11.11
/isoSPI_interface/OUT1_N: R33.1 T2.12 TP11.1 U10.10
/isoSPI_interface/OUT1_N_rv: R38.2 T2.9 TP12.1 U12.10
/isoSPI_interface/OUT1_P: R33.2 T2.10 TP10.1 U10.11
/isoSPI_interface/OUT1_P_rv: R38.1 T2.7 TP13.1 U12.11
/isoSPI_interface/PHA_0: J9.2 U9.8 U10.8 U11.8 U12.8
/isoSPI_interface/POL_0: J8.2 U9.7 U10.7 U11.7 U12.7
/isoSPI_interface/SLOW: J10.2 U9.13 U10.13 U11.13 U12.13
/MCU0_Memory/EEPROM.CS: IC15.1 U1.7
/MCU0_Memory/EEPROM.MISO: IC15.2 U1.155
/MCU0_Memory/EEPROM.MOSI: IC15.5 U1.157
/MCU0_Memory/EEPROM.SCK: IC15.6 U1.156
/MCU0_Memory/MCU0_RAM.A0: U1.16 U19.23
/MCU0_Memory/MCU0_RAM.A1: U1.17 U19.24
/MCU0_Memory/MCU0_RAM.A2: U1.18 U19.25
/MCU0_Memory/MCU0_RAM.A3: U1.19 U19.26
/MCU0_Memory/MCU0_RAM.A4: U1.20 U19.29
/MCU0_Memory/MCU0_RAM.A5: U1.21 U19.30
/MCU0_Memory/MCU0_RAM.A6: U1.60 U19.31
/MCU0_Memory/MCU0_RAM.A7: U1.63 U19.32
/MCU0_Memory/MCU0_RAM.A8: U1.64 U19.33
/MCU0_Memory/MCU0_RAM.A9: U1.65 U19.34
/MCU0_Memory/MCU0_RAM.A10: U1.66 U19.22
/MCU0_Memory/MCU0_RAM.A11: U1.67 U19.35
/MCU0_Memory/MCU0_RAM.BA0: U1.108 U19.20
/MCU0_Memory/MCU0_RAM.BA1: U1.109 U19.21
/MCU0_Memory/MCU0_RAM.D0: U1.104 U19.2
/MCU0_Memory/MCU0_RAM.D1: U1.105 U19.4
/MCU0_Memory/MCU0_RAM.D2: U1.142 U19.5
/MCU0_Memory/MCU0_RAM.D3: U1.143 U19.7
/MCU0_Memory/MCU0_RAM.D4: U1.68 U19.8
/MCU0_Memory/MCU0_RAM.D5: U1.69 U19.10
/MCU0_Memory/MCU0_RAM.D6: U1.70 U19.11
/MCU0_Memory/MCU0_RAM.D7: U1.73 U19.13
/MCU0_Memory/MCU0_RAM.D8: U1.74 U19.42
/MCU0_Memory/MCU0_RAM.D9: U1.75 U19.44
/MCU0_Memory/MCU0_RAM.D10: U1.76 U19.45
/MCU0_Memory/MCU0_RAM.D11: U1.77 U19.47
/MCU0_Memory/MCU0_RAM.D12: U1.78 U19.48
/MCU0_Memory/MCU0_RAM.D13: U1.96 U19.50
/MCU0_Memory/MCU0_RAM.D14: U1.97 U19.51
/MCU0_Memory/MCU0_RAM.D15: U1.98 U19.53
/MCU0_Memory/MCU0_RAM.NBL0: U1.169 U19.15
/MCU0_Memory/MCU0_RAM.NBL1: U1.170 U19.39
